# Altium PCB LTEWatch.PcbDoc (part 1 of 3)
Units mm, origin at the board's own origin, x right, y up, seen from the top; angles counter-clockwise.
Board outline 155 x 70 mm, 4 copper layers (Top Layer, Ground, Power, Bottom Layer), stack 1.854 mm thick; 335 components, 196 nets, 1001 pads, 1178 vias.
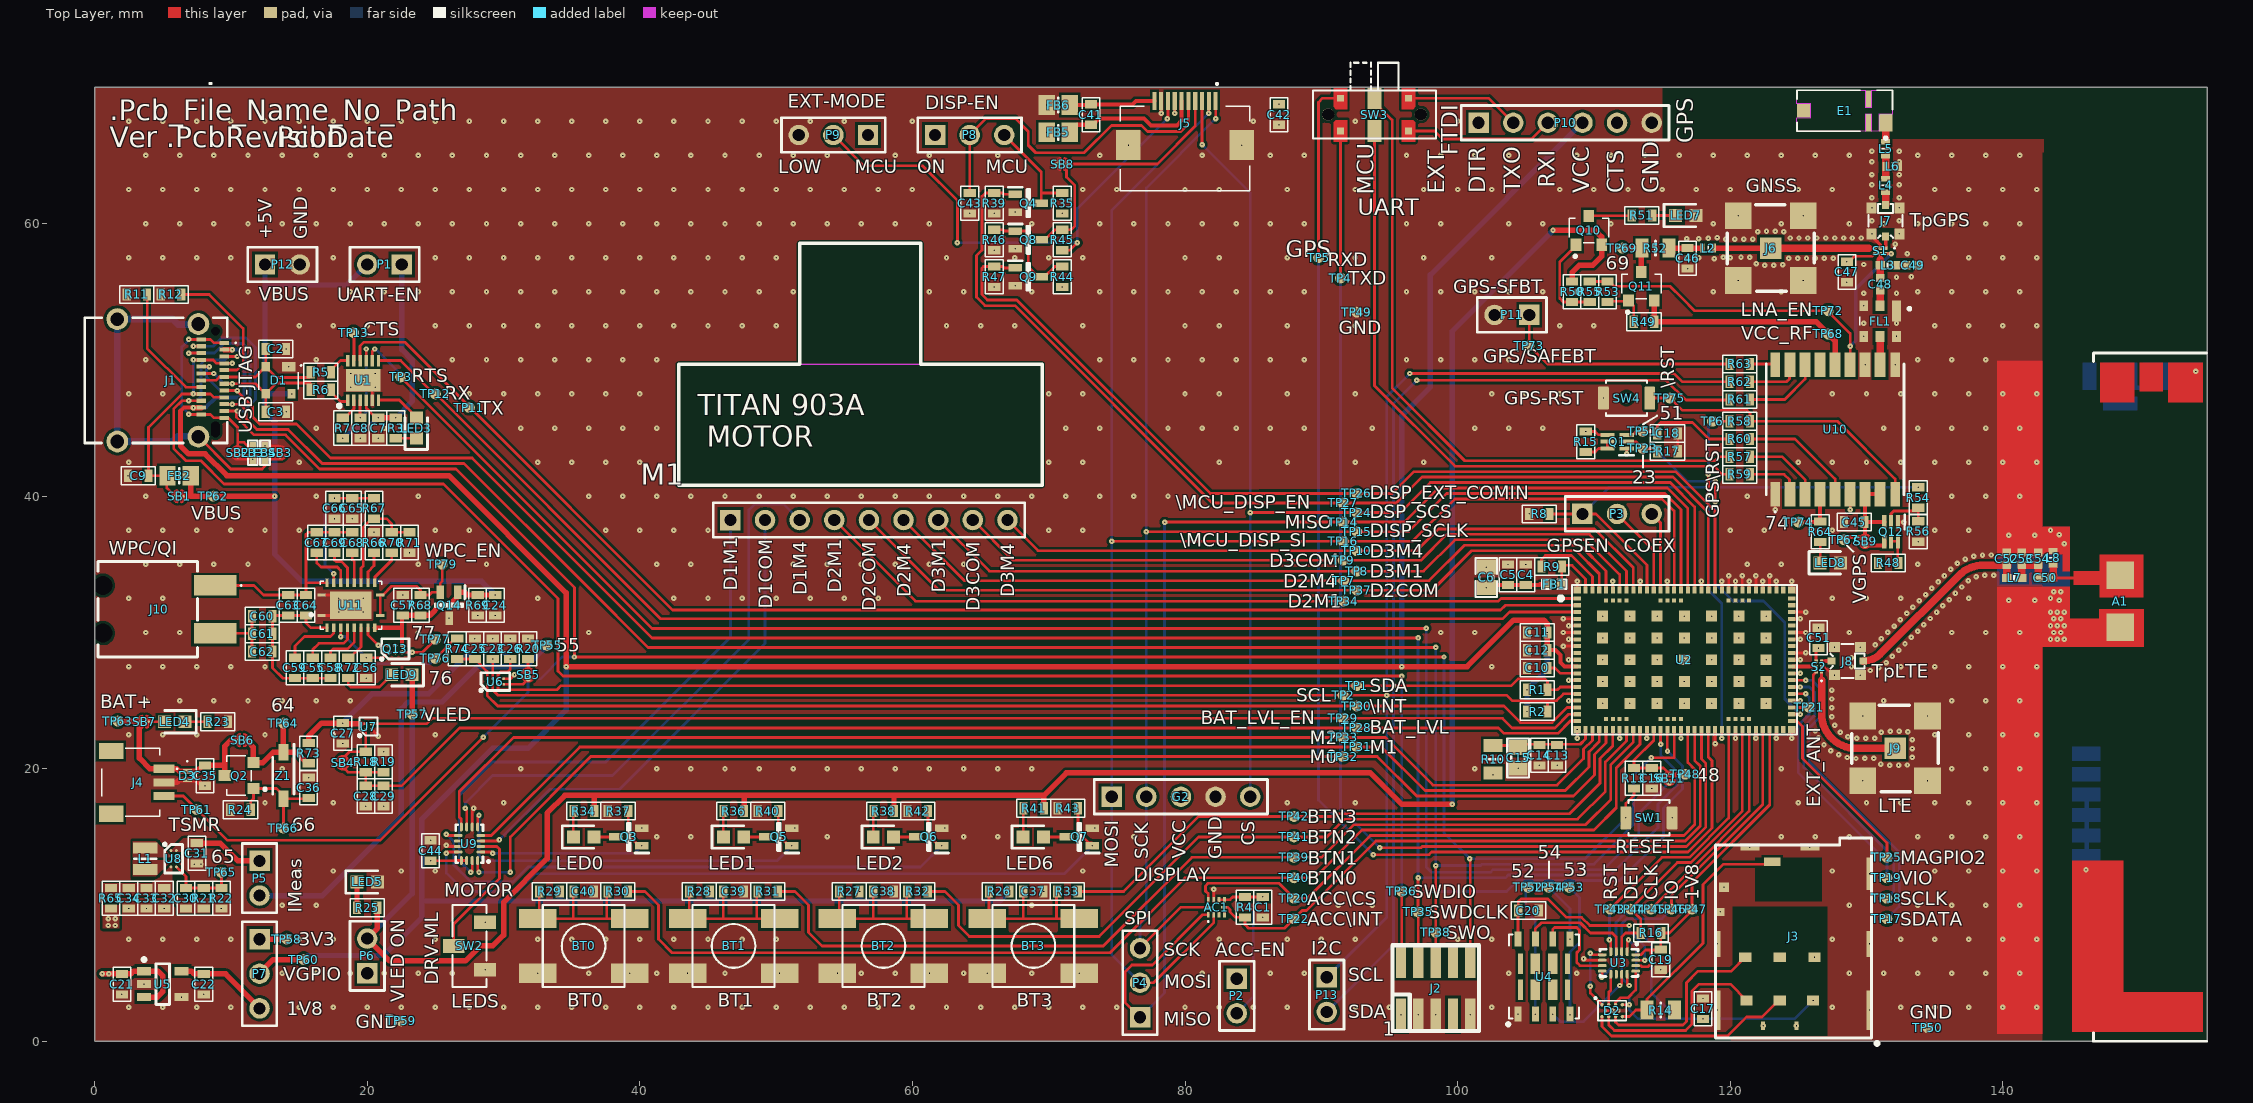
[diagram p0: Top Layer view]
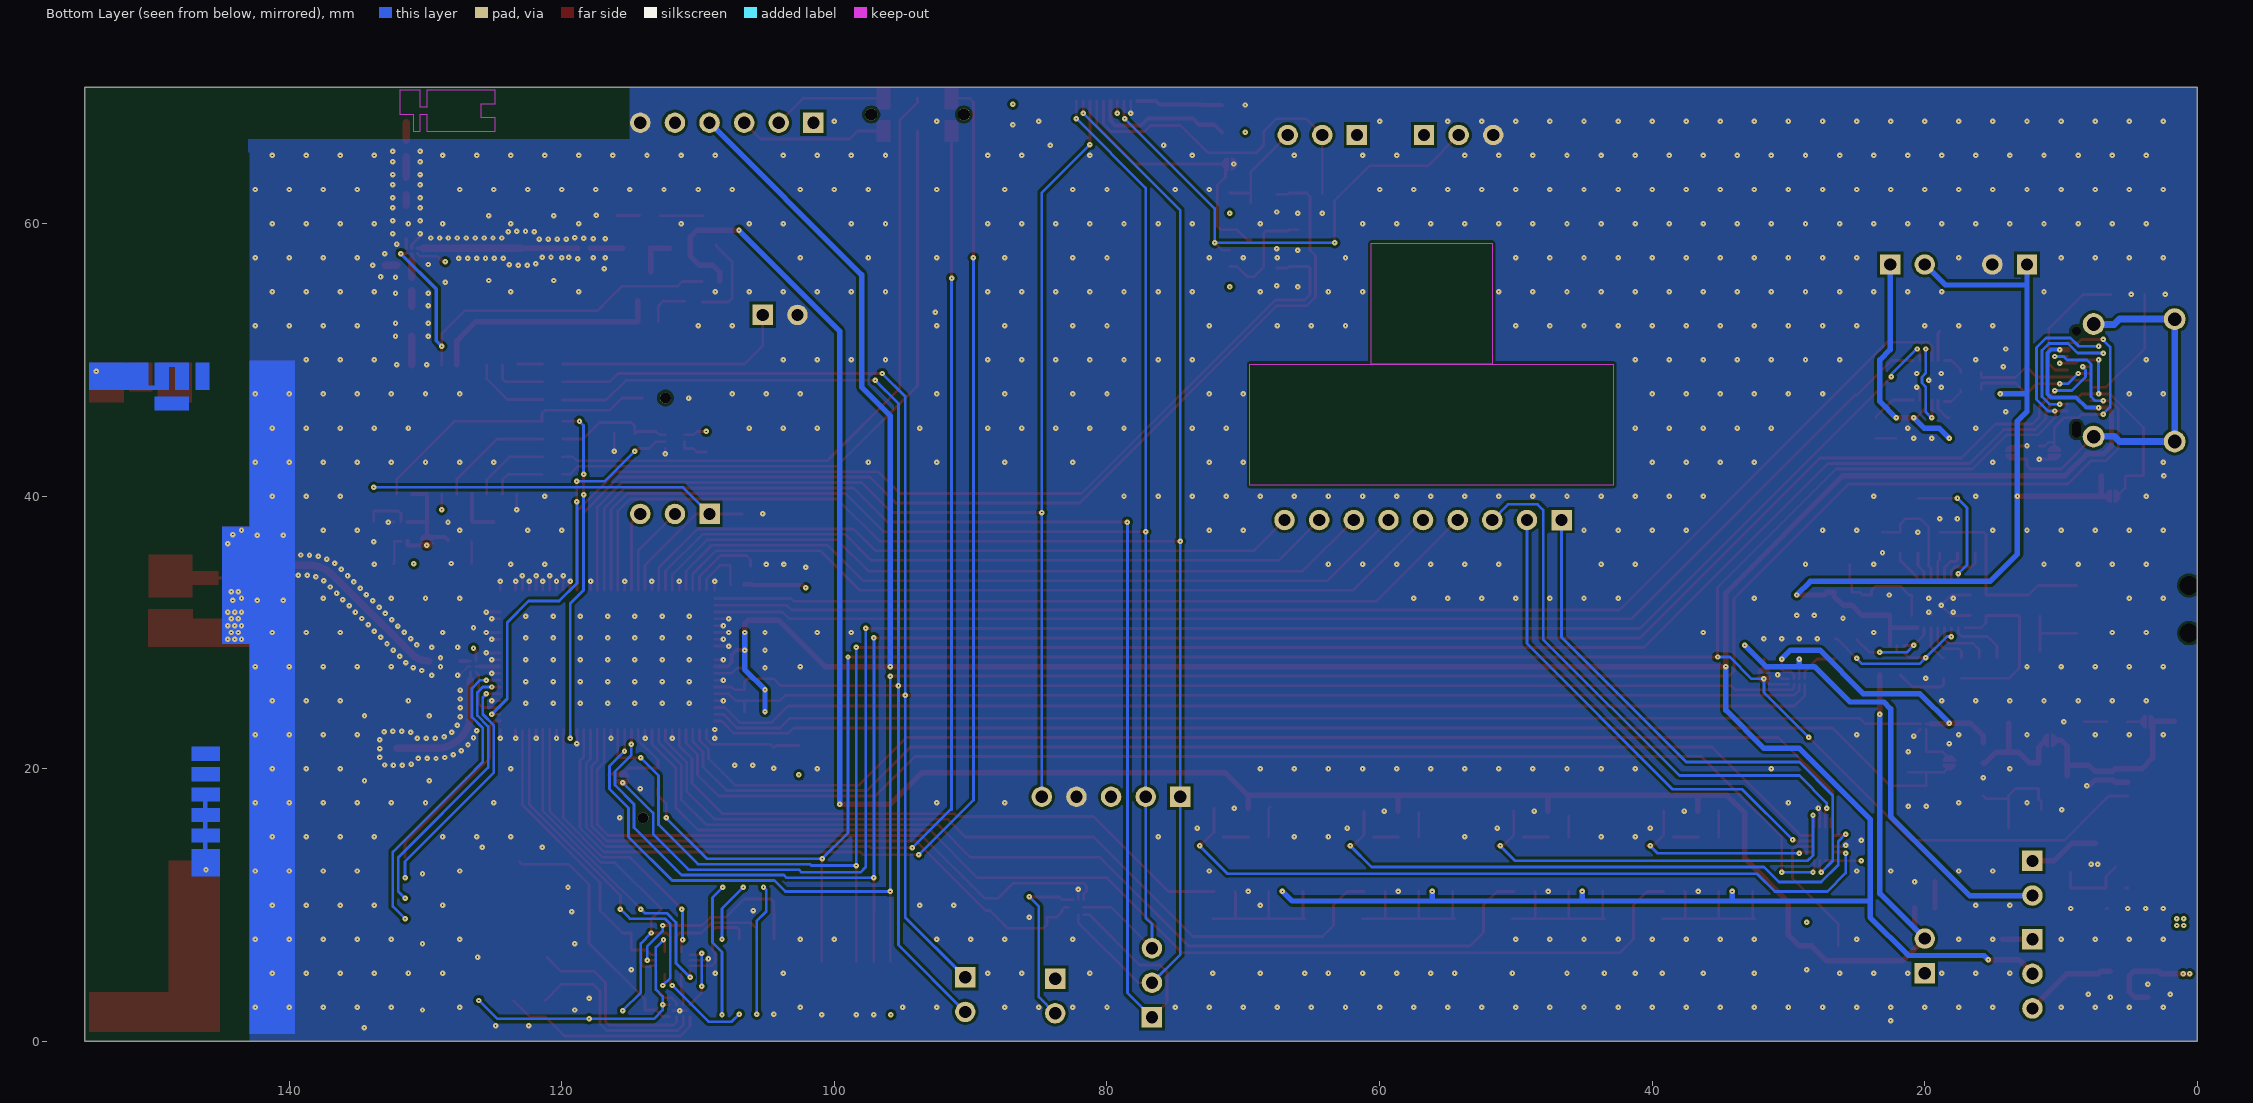
[diagram p1: Bottom Layer view, seen from below]
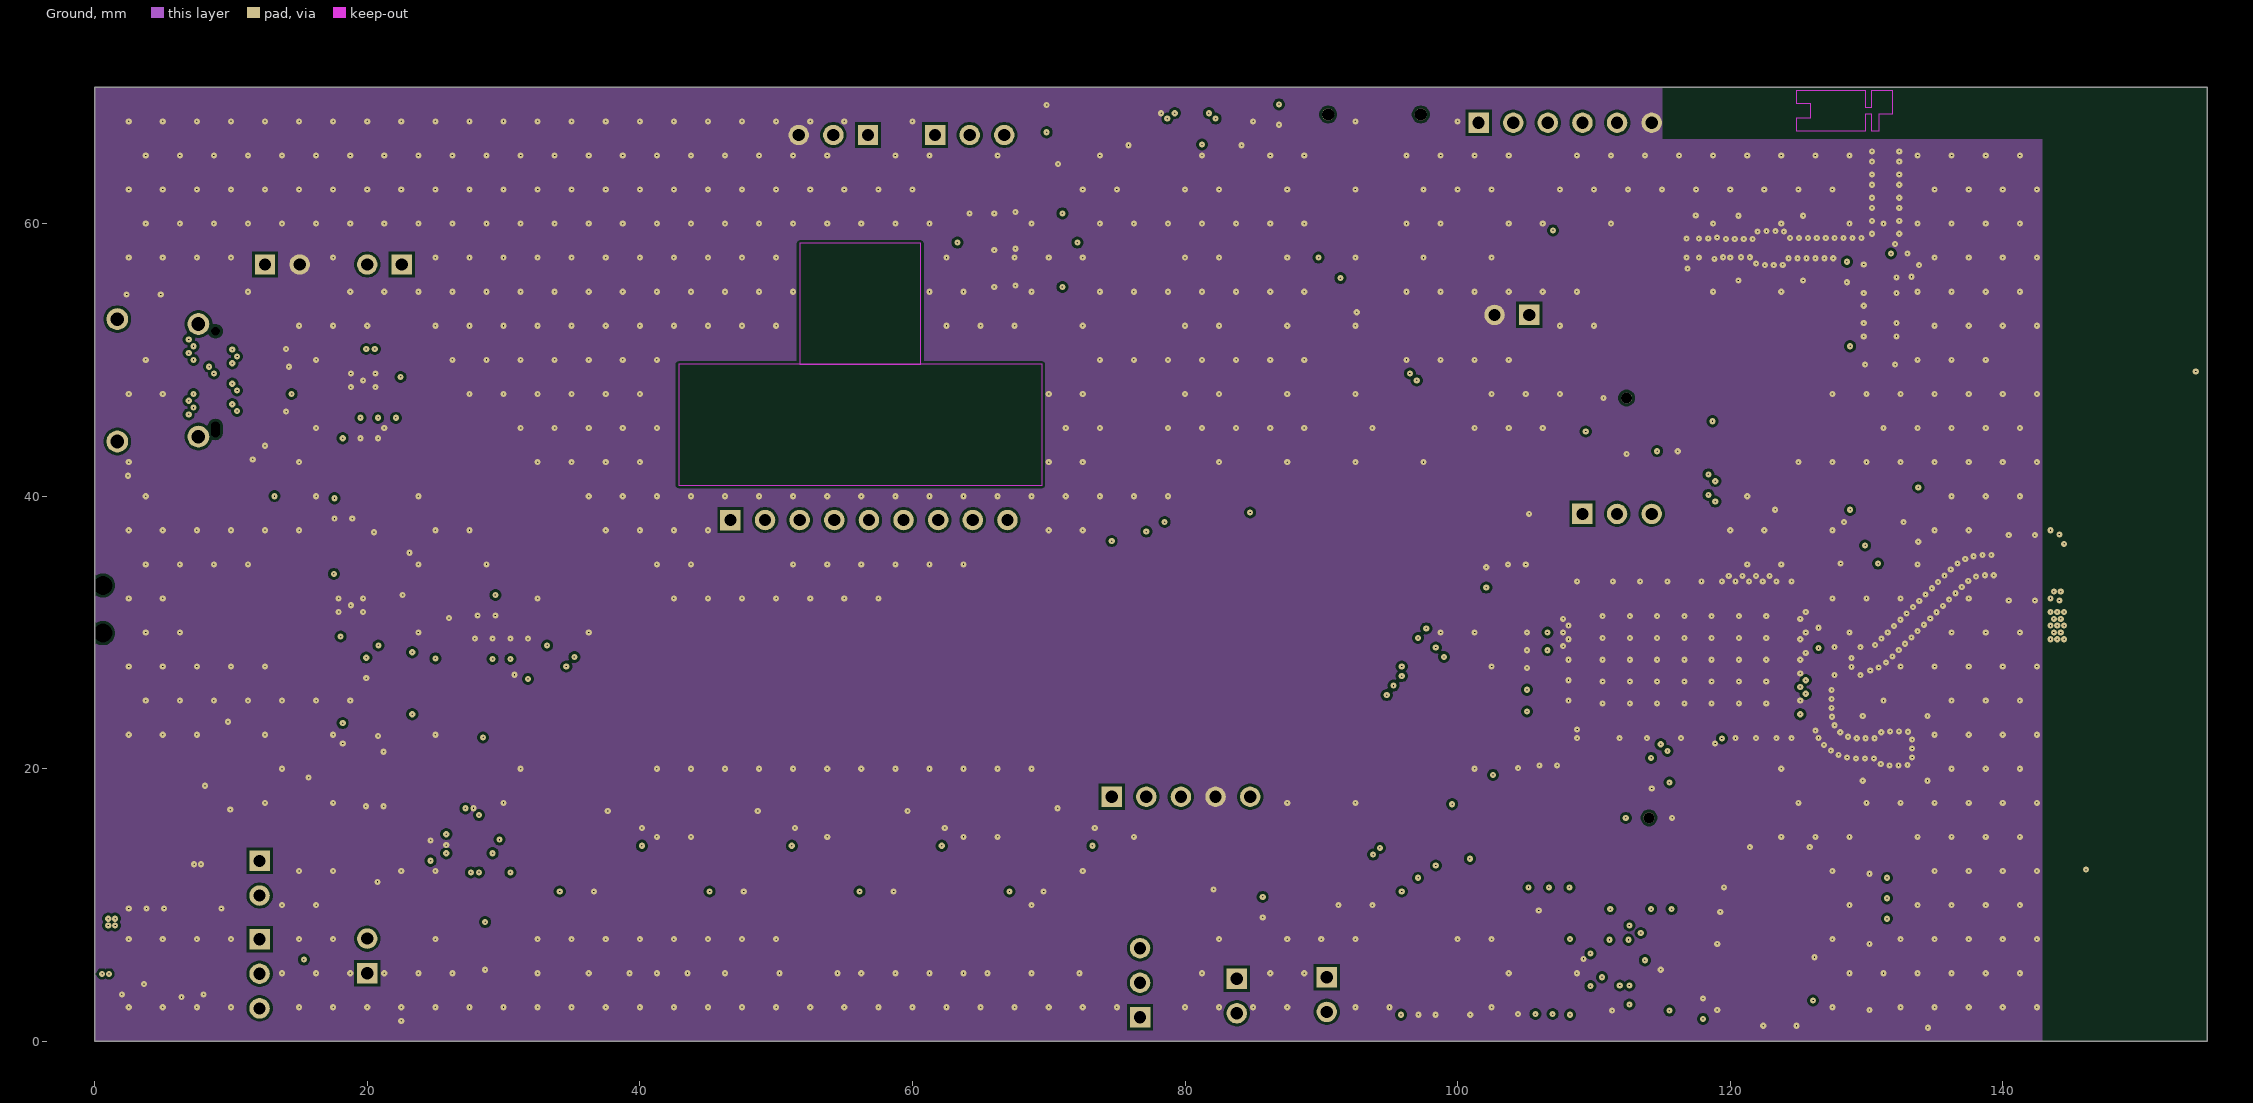
[diagram p2: Ground]
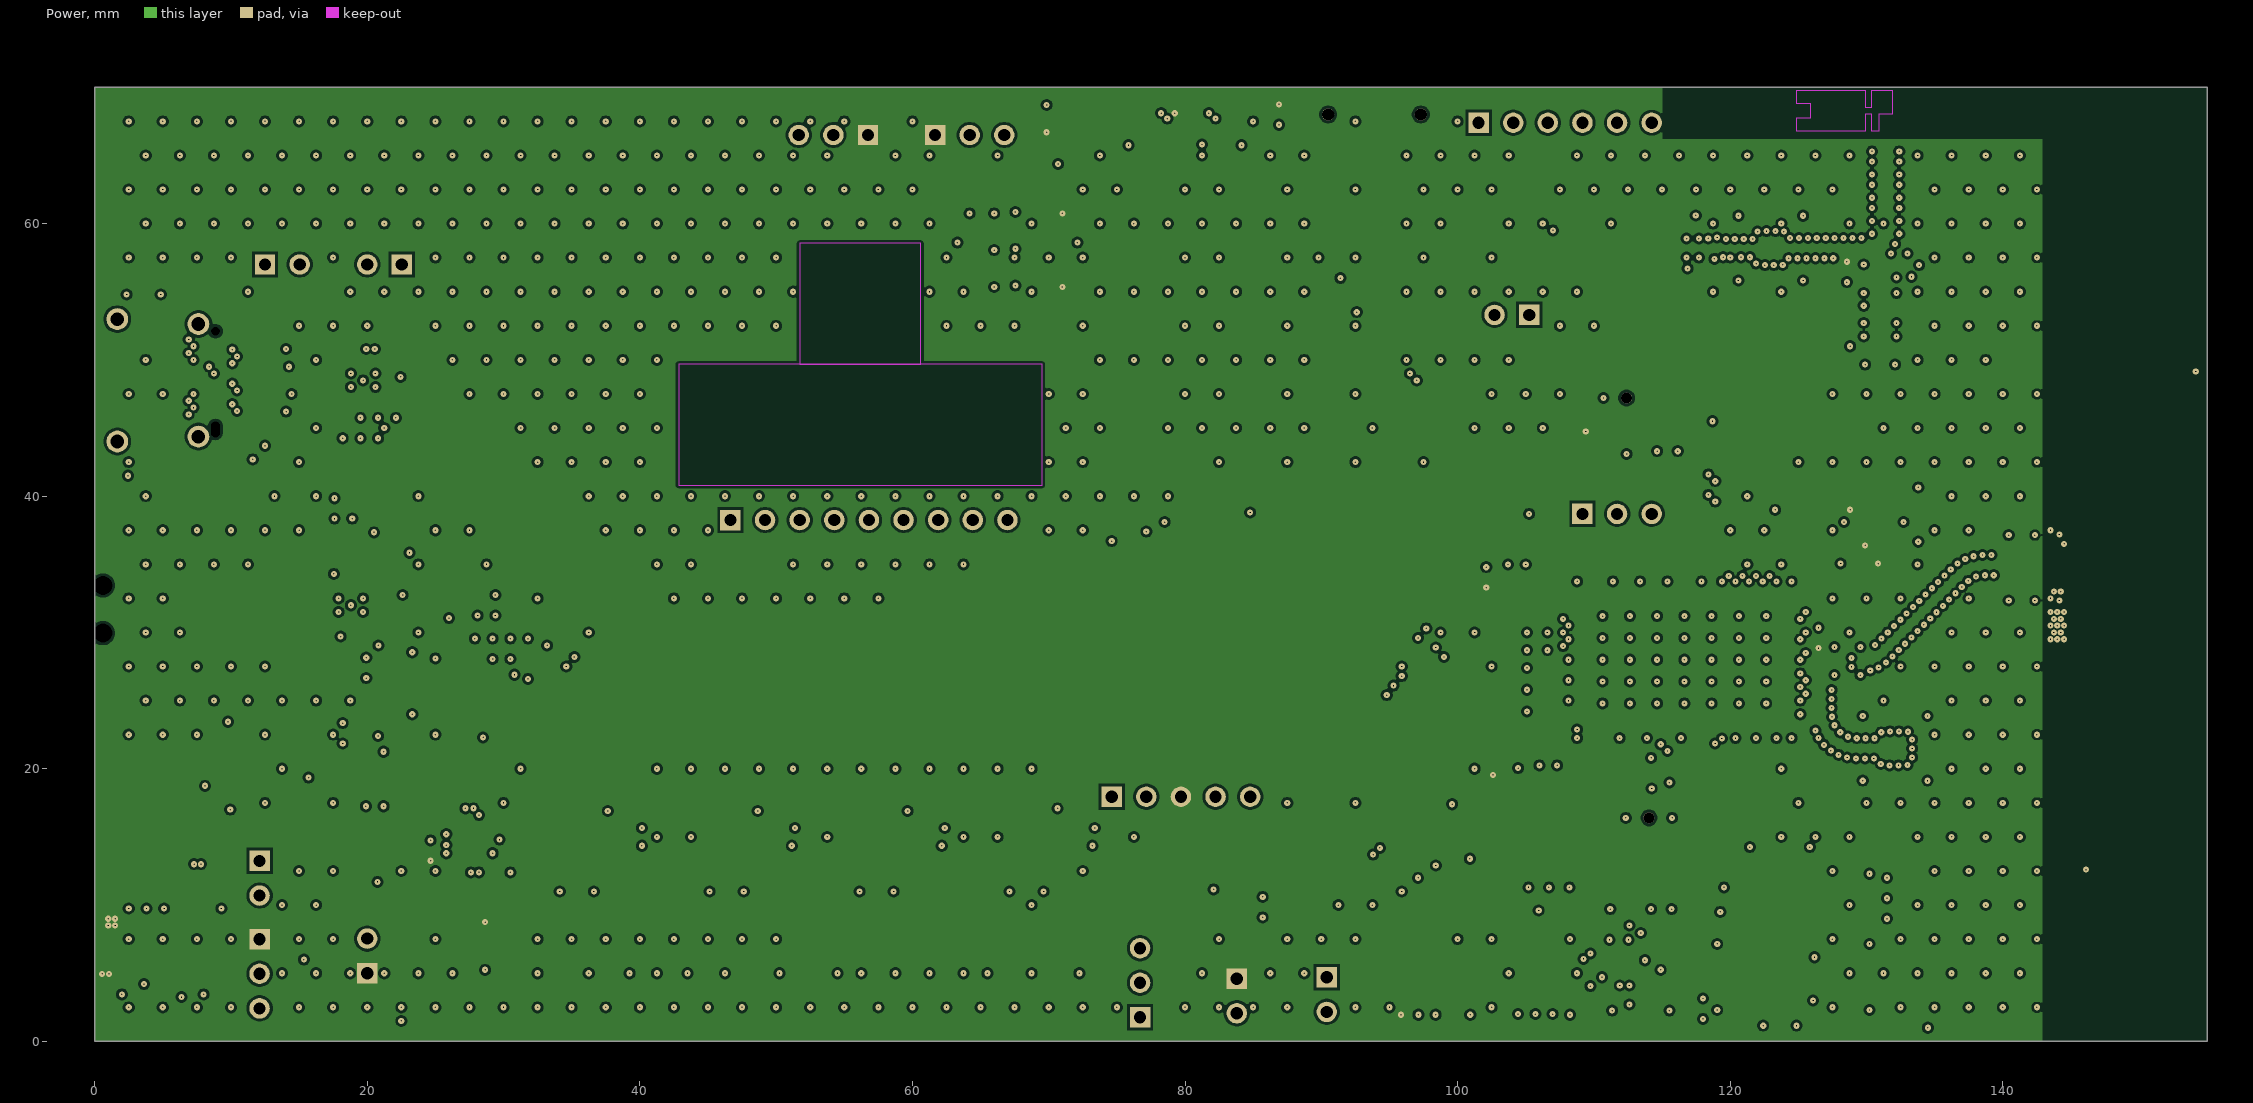
[diagram p3: Power]
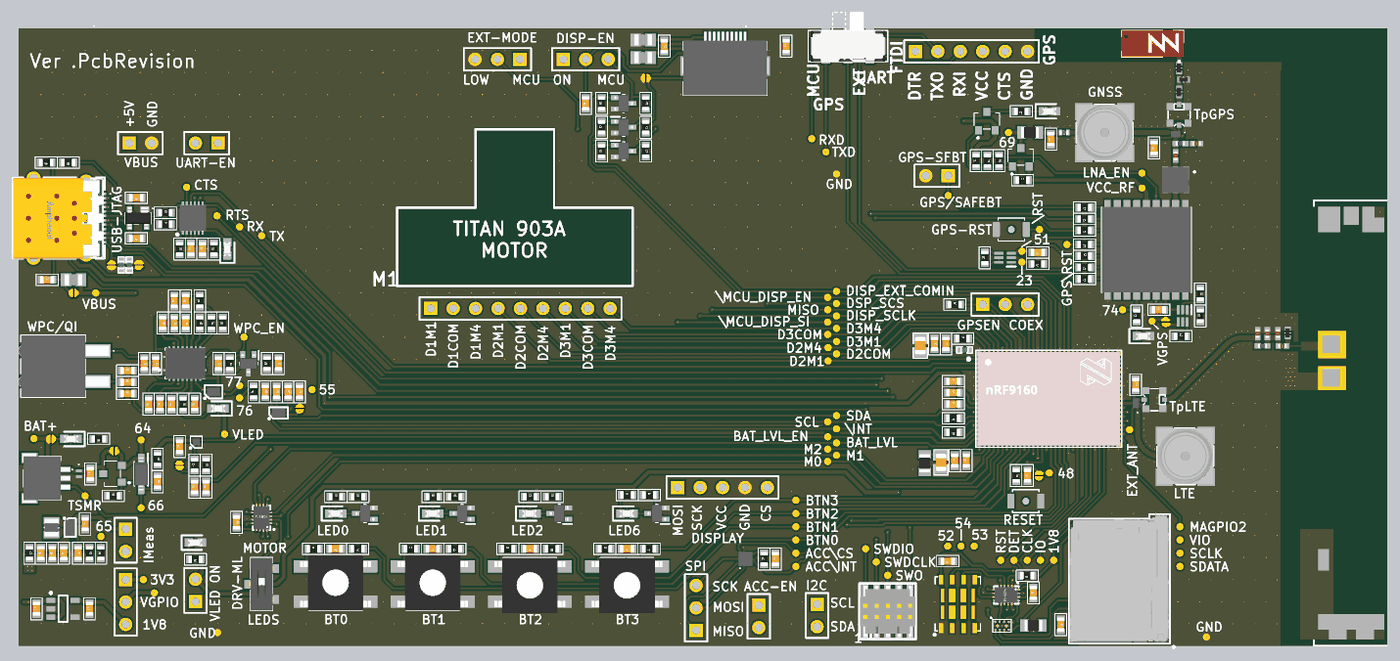
[diagram p6: 3D render of the assembled board from above, using the file's embedded part models]

## Layer stack, top to bottom
Top Solder: solder mask 0.1, Solder Resist, Dk 3.5
Top Layer: signal copper 0.035
Dielectric 1: core 0.36, FR-4, Dk 4.2
Dielectric 4: prepreg 0.0711, PP-006, Dk 4.1
Dielectric 7: prepreg 0.0711, PP-006, Dk 4.1
Ground: signal copper 0.035
Dielectric 6: prepreg 0.0711, PP-006, Dk 4.1
Power: signal copper 0.035
Dielectric 5: prepreg 0.0711, PP-006, Dk 4.1
Dielectric 3: prepreg 0.71, Dk 4.2
Dielectric 2: core 0.36, Dk 4.2
Bottom Layer: signal copper 0.035
Bottom Solder: solder mask 0.1, Solder Resist, Dk 3.5

## Board outline
0,0 0,70 155,70 155,0

## Design rules (kind name [scope] priority, off if disabled: settings)
AcuteAngle [All] p1 off: minimum=9.00000000000000E+0001 checktracksonly=TRUE
AssemblyTestPointUsage [All] p1 off:
AssemblyTestpoint [All] p1 off: testpointundercomponent=TRUE minsize=1.016 maxsize=2.54 preferedsize=1.524 minholesize=0 maxholesize=1.016 preferedholesize=0.813 testpointgrid=0.025 usegrid=TRUE gridtolerance=0 allowsidetop=TRUE allowsidebottom=TRUE
BoardOutlineClearance [All] p1 off: gap=0.25 ignorepadtopadclearanceinfootprint=FALSE
Clearance Clearance_1 [InNamedPolygon('NONET_L-01_P-001')] p1: gap=0.2 ignorepadtopadclearanceinfootprint=FALSE
Clearance [All] p2: gap=0.15 ignorepadtopadclearanceinfootprint=FALSE except(0: Arc-Hole Track-Hole SMDPad-Hole THPad-Hole Via-Hole Fill-Hole Poly-Hole Region-Hole Text-Hole)
ComponentClearance [All] p1 off: gap=0.25 collisioncheckmode=3 verticalgap=0.25 showdistances=FALSE
DiffPairsRouting [All] p1 off: maxlimit=0.254 minlimit=0.254 mostfreqgap=0.254 toplayer_minwidth=0.381 toplayer_maxwidth=0.381 toplayer_prefwidth=0.381 midlayer1_minwidth=0.381 midlayer1_maxwidth=0.381 midlayer1_prefwidth=0.381 midlayer2_minwidth=0.381 midlayer2_maxwidth=0.381 midlayer2_prefwidth=0.381 bottomlayer_minwidth=0.381 bottomlayer_maxwidth=0.381 bottomlayer_prefwidth=0.381 maxuncoupledlength=12.7
FabricationTestPointUsage [All] p1 off: valid=0 allowmultiple=FALSE
FabricationTestpoint [All] p1 off: side=3 testpointundercomponent=TRUE minsize=1.016 maxsize=2.54 preferedsize=1.524 minholesize=0 maxholesize=1.016 preferedholesize=0.813 testpointgrid=0.025 allowsidetop=TRUE allowsidebottom=TRUE usegrid=TRUE gridtolerance=0
FanoutControl Fanout_BGA [IsBGA] p1 off: bgadir=Out bgaviamode=Centered fanoutstyle=Auto fanoutdirection=Alternating viagrid=0.025 // Fanout_BGA (Default Rule)
FanoutControl Fanout_LCC [IsLCC] p2 off: bgadir=Out bgaviamode=Centered fanoutstyle=Auto fanoutdirection=Alternating viagrid=0.025 // Fanout_LCC (Default Rule)
FanoutControl Fanout_SOIC [IsSOIC] p3 off: bgadir=Out bgaviamode=Centered fanoutstyle=Auto fanoutdirection=Alternating viagrid=0.025 // Fanout_SOIC (Default Rule)
FanoutControl Fanout_Small [(CompPinCount < 5)] p4 off: bgadir=Out bgaviamode=Centered fanoutstyle=Auto fanoutdirection=OutThenIn viagrid=0.025 // Fanout_Small (Default Rule)
FanoutControl Fanout_Default [All] p5 off: bgadir=Out bgaviamode=Centered fanoutstyle=Auto fanoutdirection=Alternating viagrid=0.025 // Fanout_Default (Default Rule)
Height [All] p1 off: minheight=0 maxheight=25.4 prefheight=12.7
HoleSize [All] p1 off: absolutevalues=TRUE maxlimit=3 minlimit=0.25 maxpercent=80.000 minpercent=20.000
HoleToHoleClearance [All] p1: gap=0.25 allowstackedmicrovias=TRUE
LayerPairs [All] p1 off: enforce=TRUE
MinimumAnnularRing [All] p1 off: minimumring=0.175
MinimumSolderMaskSliver [All] p1 off: minsoldermaskwidth=0
NetAntennae [All] p1 off: netantennaetolerance=0
PasteMaskExpansion [All] p1 off: expansion=0
PlaneClearance [All] p1: clearance=0.25
PlaneConnect [All] p1: planeconnectstyle=Direct reliefexpansion=0.5 reliefentries=4 reliefconductorwidth=0.25 reliefairgap=0.25
PolygonConnect [All] p1: connectstyle=Direct reliefconductorwidth=0.25 reliefentries=4 polygonreliefangle="90 Angle" airgapwidth=0.25
RoutingCorners [All] p1 off: cornerstyle=45-Degree minsetback=2.5 maxsetback=2.5
RoutingLayers [All] p1 off: top layer_v5=TRUE mid layer 1_v5=TRUE mid layer 2_v5=TRUE bottom layer_v5=TRUE
RoutingPriority [All] p1 off: routingpriority=0
RoutingTopology [All] p1 off: topology=Shortest
RoutingVias [All] p1 off: holewidth=0.1 width=0.4 viastyle="Through Hole" minholewidth=0.1 minwidth=0.4 maxholewidth=0.1 maxwidth=0.4 useviatemplates=TRUE viatemplateguid#1={C0BFCFF5-9D42-48D6-B12F-B05AFD2019E3} viatemplatename#1=v45h10m0mx0
SilkToBoardRegionClearance [All] p1 off:
SilkToSilkClearance [All] p1 off: silktosilkclearance=0
SilkToSolderMaskClearance [IsPad] p1 off: minsilkscreentomaskgap=0 clearancetoexposedcopper=TRUE
SolderMaskExpansion [All] p1: expansion=0 istentingtop=FALSE
UnRoutedNet [All] p1: checkbadconnections=TRUE
Width [All] p1: maxlimit=4 minlimit=0.15 preferedwidth=0.2
2 further rules are at their usual default settings.

## Classes and differential pairs
component class "Wireless Power Receiver": C55 C56 C57 C58 C59 C60 C61 C62 C63 C64 C65 C66 C67 C68 C69 J10 LED9 Q13 Q14 R66 R67 R68 R69 R70 R71 R72 R74 TP76 TP77 TP79 U11 Y15
component class "User Interface": BT0 BT1 BT2 BT3 C37 C38 C39 C40 C41 C42 C43 C44 FB5 FB6 G2 J5 LED0 LED1 LED2 LED6 P8 P9 Q3 Q4 Q5 Q6 Q7 Q8 Q9 R26 R27 R28 R29 R30 R31 R32 R33 R34 R35 R36 R37 R38 R39 R40 R41 R42 R43 R44 R45 R46 R47 SB8 SW2 U9 Y10 Y11
component class "Radio Freq": A1 C45 C46 C47 C48 C49 C50 C51 C52 C53 C54 E1 FL1 J6 J7 J8 J9 L2 L3 L4 L5 L6 L7 L8 LED7 LED8 P10 P11 Q10 Q11 Q12 R48 R49 R50 R51 R52 R53 R54 R55 R56 R57 R58 R59 R60 R61 R62 R63 R64 S1 S2 SB9 SW3 SW4 TP67 TP68 TP69 TP72 TP73 TP74 TP75 U10 Y12
component class "Power Supply": C21 C22 C23 C24 C25 C26 C27 C28 C29 C30 C31 C32 C33 C34 C35 C36 D3 J4 L1 LED4 LED5 P5 P6 P7 P12 Q2 R18 R19 R20 R21 R22 R23 R24 R25 R65 R73 SB4 SB5 SB6 SB7 TP49 TP50 TP55 TP57 TP58 TP59 TP60 TP61 TP62 TP63 TP64 TP65 TP66 U5 U6 U7 U8 Y7 Y8 Y9 Y13 Y14 Z1
component class nRF9160: AC1 C1 C2 C3 C4 C5 C6 C7 C8 C9 C10 C11 C12 C13 C14 C15 C16 C17 C18 C19 C20 D1 D2 FB1 FB2 FB3 FB4 J1 J2 J3 LED3 P1 P2 P3 P4 P13 Q1 R1 R2 R3 R4 R5 R6 R7 R8 R9 R10 R11 R12 R13 R14 R15 R16 R17 SB1 SB2 SB3 SB11 SW1 TP1 TP2 TP3 TP4 TP5 TP6 TP7 TP8 TP9 TP10 TP11 TP12 TP13 TP14 TP15 TP16 TP17 TP18 TP19 TP20 TP21 TP22 TP23 TP24 TP25 TP26 TP27 TP28 TP29 TP30 TP31 TP32 TP33 TP34 TP35 TP36 TP37 TP38 TP39 TP40 TP41 TP42 TP43 TP44 TP45 TP46 TP47 TP48 TP51 TP52 TP53 TP54 U1 U2 U3 U4 Y1 Y2 Y3 Y4 Y5 Y6

## Components (designator, comment, footprint, x,y, rotation, side; value= is the part's Value field where it differs from the comment)
A1 "P822601" P822601 150.9,25.3 r270 top
AC1 "MC3635" MC3635 82.3,9.85 r0 top
BT0 "SKHUALE010" Switch-PB-SMD-BT0 35.875,7 r0 top value="PB SW"
BT1 "SKHUALE010" Switch-PB-SMD-BT1 46.875,7 r0 top value="PB SW"
BT2 "SKHUALE010" Switch-PB-SMD-BT2 57.875,7 r180 top value="PB SW"
BT3 "SKHUALE010" Switch-PB-SMD-BT3 68.875,7 r180 top value="PB SW"
C1 "100nF" C0603 85.7,9.85 r90 top
C2 "47pF" C0603 13.3,50.8 r180 top
C3 "47pF" C0603 13.3,46.2 r180 top
C4 "15pF" C0603 105,34.24 r270 top
C5 "100nF" C0603 103.7,34.24 r270 top
C6 "47uF" CAPC2012X11L 102.1,34.04 r270 top
C7 "100nF" C0603 20.8,45 r90 top
C8 "100nF" C0603 19.5,45 r90 top
C9 "10nF" C0603 3.2,41.5 r0 top
C10 "4.7uF" C0603 105.84,27.4 r0 top
C11 "4.7uF" C0603 105.84,30 r0 top
C12 "100nF" C0603 105.84,28.7 r0 top
C13 "15pF" C0603 107.3,21 r90 top
C14 "100nF" C0603 106,21 r90 top
C15 "47uF" CAPC2012X11L 104.44,20.8 r90 top
C16 "100nF" C0603 114.24,19.3 r90 top
C17 "10nF" C0603 118,2.4 r270 top
C18 "1uF" C0603 115.4,44.6 r180 top
C19 "100nF" C0603 114.9,6 r90 top
C20 "N.C." C0603 105.2,9.6 r180 top
C21 "1uF" C0603 2,4.2 r90 top
C22 "1uF" C0603 8,4.2 r90 top
C23 "10uF" C0603 29.2,28.8 r270 top
C24 "4.7uF" C0603 29.4,32 r270 top
C25 "100nF" C0603 27.9,28.8 r270 top
C26 "1uF" C0603 30.5,28.8 r270 top
C27 "1uF" C0603 18.2,22.6 r90 top
C28 "100nF" C0603 19.9,18 r90 top
C29 "10nF" C0603 21.2,18 r90 top
C30 "10pF" C0603 6.7,10.5 r270 top
C31 "10uF" C0603 7.5,13.8 r90 top
C32 "10uF" C0603 5.1,10.5 r90 top
C33 "10uF" C0603 3.8,10.5 r90 top
C34 "10uF" C0603 2.5,10.5 r90 top
C35 "1uF" C0603 8.1,19.5 r90 top
C36 "10nF" C0603 15.7,18.6 r270 top
C37 "100nF" C0603 68.875,11 r180 top
C38 "100nF" C0603 57.875,11 r180 top
C39 "100nF" C0603 46.875,11 r180 top
C40 "100nF" C0603 35.875,11 r180 top
C41 "1uF" C0603 73.1,68 r270 top
C42 "1uF" C0603 86.9,68 r90 top
C43 "560pF" C0603 64.2,61.5 r90 top
C44 "100nF" C0603 24.65,14 r270 top
C45 "1uF" C0603 129.1,38.1 r0 top
C46 "10nF" C0603 116.875,57.45 r90 top
C47 "100nF" C0603 128.562,56.45 r90 top
C48 "47pF" CAPC1005X55N 131,55.55 r90 top
C49 "N.C." CAPC1005X55N 133.4,56.95 r180 top
C50 "3.5pF" CAPC1005X55N 143.1,34 r0 top
C51 "100nF" C0603 126.48,29.6 r270 top
C52 "N.C." CAPC1005X55N 140.3,35.4 r270 top
C53 "N.C." CAPC1005X55N 141.4,35.4 r270 top
C54 "N.C." CAPC1005X55N 142.6,35.4 r270 top
C55 "470nF" C0603 16,27.4 r90 top
C56 "10uF" C0603 19.925,27.4 r90 top
C57 "100nF" C0603 22.6,32 r270 top
C58 "22nF" C0603 17.3,27.4 r90 top
C59 "10nF" C0603 14.7,27.4 r90 top
C60 "39nF" C0603 12.3,31.2 r0 top
C61 "47nF" C0603 12.3,29.9 r0 top
C62 "68nF" C0603 12.3,28.6 r0 top
C63 "2.2nF" C0603 14.2,32 r270 top
C64 "100pF" C0603 15.5,32 r270 top
C65 "10uF" C0603 18.9,39.1 r90 top
C66 "4.7uF" C0603 17.6,39.1 r90 top
C67 "10nF" C0603 16.3,36.6 r270 top
C68 "22nF" C0603 18.9,36.6 r270 top
C69 "470nF" C0603 17.6,36.6 r270 top
D1 "TVS 5.5VWM" PRTR5V0U2X 13.5,48.5 r180 top
D2 "CM1402" CM1402 111.34,2.253 r0 top
D3 "TVS DIODE" SP100701ETG 6.8,19.5 r270 top value="6VWM 9.2VC"
E1 "NN03-320" XCVR_NN03-320 128.4,68.275 r0 top locked
FB1 "120R/0.7A" INDC1005X04L 107.1,33.54 r0 top
FB2 "FERRITE BEAD" BEADC2012X110N 6.2,41.5 r0 top value="500mA 300mΩ"
FB3 "120R/0.7A" INDC1005X04L 11.6,43.175 r90 top
FB4 "120R/0.7A" INDC1005X04L 12.5,43.175 r90 top
FB5 "FERRITE BEAD" BEADC2012X110N 70.7,66.7 r180 top value="500mA 300mΩ"
FB6 "FERRITE BEAD" BEADC2012X110N 70.7,68.7 r0 top value="500mA 300mΩ"
FL1 "TPS7A0318PDBVR" B39162B3913U410 131,52.85 r180 top value="SAW Filt. 1.588GHz"
G2 "Sharp MIP LCD" SHARP_MIP_LCD 74.62,17.95 r0 top
J1 "CONN_USB-C_24p" "12401598E42A - JTAG" 4.5,48.5 r270 top
J2 "FTSH-105-01-F-DV-K" HDR_2x5-SMD-1.27mm-K 98.39,3.903 r0 top
J3 "SF72S006VBAR2500" SF72S006VBAR2500 130.22,0.4 r0 top
J4 "M40-4010346R" M404010346R 2.8,19 r270 top
J5 "CONN LCD SMD" FH12A10S05SH55 80,65.5 r180 top value="10 POS FFC"
J6 "SMA" "73251-1350 - GNSS" 122.975,58.2 r180 top value="50 Ω"
J7 "MM8130-2600" "COAXIAL-SWF - GNSS" 131.4,60.2 r180 top
J8 "MM8130-2600" "COAXIAL-SWF - LTE" 128.6,27.9 r90 top
J9 "SMA" "73251-1350 - LTE" 132.1,21.5 r0 top value="50 Ω"
J10 "WPC/QI COIL" 23839422 3.9,31.7 r270 top
L1 "2.9A 48mΩ" 1286ASH1R0MP2 3.7,13.4 r90 top value=1uH
L2 "350mA 460mΩ" LQG15WH0N7B02D 118.375,58.2 r0 top value=27nH
L3 "N.C." INDC1005X37N 131.55,56.95 r0 top
L4 "9.7nH" LQW15AN10NG80D 131.4,62.8 r90 top
L5 "11nH" LQW15AN10NG80D 131.4,65.5 r90 top
L6 "13nH" LQW15AN10NG80D 131.9,64.2 r180 top
L7 "1.5nH" INDC1005X37N 140.85,34 r180 top
L8 "22nH" LQW15AN10NG80D 143.7,35.475 r90 top
LED0 "BLUE 3.2V" LEDC1608X80N 35.875,15 r0 top
LED1 "BLUE 3.2V" LEDC1608X80N 46.875,15 r0 top
LED2 "BLUE 3.2V" LEDC1608X80N 57.875,15 r0 top
LED3 "GREEN 2V" LEDC1608X80N 23.6,45 r90 top
LED4 "RED 2V" LEDC1608X80N 5.888,23.449 r180 top
LED5 "GREEN 2V" LEDC1608X80N 20,11.7 r0 top
LED6 "GREEN 2V" LEDC1608X80N 68.875,15 r0 top
LED7 "RED 2V" LEDC1608X80N 116.725,60.6 r0 top
LED8 "GREEN 2V" LEDC1608X80N 127.35,35.11 r0 top
LED9 "GREEN 2V" LEDC1608X80N 22.55,26.9 r180 top
M1 "Comment" MOTOR 53,38.25 r0 top
P1 "VUART" "HDR1X2 - UART" 22.54,57 r180 top
P2 "VACC" "HDR1X2 - ACCEL" 83.8,4.6 r270 top
P3 "COEX" "HDR1X3 - COEX" 109.16,38.7 r0 top
P4 "SPI" "HDR1X3 - SPI" 76.7,1.76 r90 top
P5 "IMEAS" "HDR1X2 - IMEAS" 12.1,13.24 r270 top
P6 "VLED" "HDR1X2 - VLED" 20,5 r90 top
P7 "VGPIO" "HDR1X3 - VGPIO" 12.1,7.5 r270 top
P8 "DISP-EN" "HDR1X3 - DISP_EN" 61.66,66.5 r0 top
P9 "EXT-MODE" "HDR1X3 - EXT_MODE" 56.74,66.5 r180 top
P10 "GPSUSB" "HDR1X6 - GPS" 101.54,67.4 r0 top
P11 "GPS-SFBT" "HDR1X2 - GPSSAFEBOOT" 105.25,53.3 r180 top
P12 "VBUS" "HDR1X2 - VIN" 12.5,57 r0 top
P13 "I2C" "HDR1X2 - I2C" 90.4,4.703 r270 top
Q1 "MOS N/P-CH" SOT50P160X60-6N 111.7,44 r180 top value="20V 250mW"
Q2 "PMOS" SSM3J332RLFT 10.6,19.5 r90 top value=12V
Q3 "NMOS" SOT65P210X110-3N 39.2,15 r180 top value=30V
Q4 "NMOS" SOT65P210X110-3N 68.5,61.5 r0 top value=30V
Q5 "NMOS" SOT65P210X110-3N 50.2,15 r180 top value=30V
Q6 "NMOS" SOT65P210X110-3N 61.2,15 r180 top value=30V
Q7 "NMOS" SOT65P210X110-3N 72.25,15 r180 top value=30V
Q8 "NMOS" SOT65P210X110-3N 68.5,58.8 r0 top value=30V
Q9 "NMOS" SOT65P210X110-3N 68.5,56.1 r0 top value=30V
Q10 "PMOS" SSM3J332RLFT 109.625,59.5 r0 top value=12V
Q11 "PMOS" SSM3J332RLFT 113.475,55.4 r0 top value=12V
Q12 "MOS N/P-CH" SOT50P160X60-6N 131.8,37.4 r270 top value="20V 250mW"
Q13 "20V 1.6A 0.7W" BGA6C50P2X3_95X145X62 22.057,28.8 r90 top
Q14 "NMOS" SOT65P210X110-3N 26,32 r270 top value=30V
R1 "10k" RES0603 105.84,25.8 r180 top
R2 "10k" RES0603 105.84,24.2 r180 top
R3 "330" RES0603 22.1,45 r90 top
R4 "N.C." RES0603 84.4,9.85 r90 top
R5 "27R" RES0603 16.6,49.1 r0 top
R6 "27R" RES0603 16.6,47.8 r0 top
R7 "10k" RES0603 18.2,45 r270 top
R8 "100k" RES0603 106,38.7 r0 top
R9 "10k" RES0603 106.9,34.84 r0 top
R10 "0R" RESC2012X60N 102.6,20.7 r90 top
R11 "5k1" RES0603 3.1,54.8 r180 top
R12 "5k1" RES0603 5.6,54.8 r180 top
R13 "1k" RES0603 112.94,19.3 r270 top
R14 "0R" RESC2012X60N 114.9,2.3 r180 top
R15 "100k" RES0603 109.4,44 r90 top
R16 "1M" RES0603 114.19,7.953 r180 top
R17 "1M" RES0603 115.4,43.3 r180 top
R18 "4.02M" RES0603 19.9,20.5 r90 top
R19 "8.66M" RES0603 21.2,20.5 r270 top
R20 "NTC10k" C0603 31.8,28.8 r270 top
R21 "560k" RES0603 8,10.5 r270 top
R22 "100k" RES0603 9.3,10.5 r90 top
R23 "120" RES0603 9.038,23.451 r180 top
R24 "10k" RES0603 10.7,17 r0 top
R25 "120" RES0603 20,9.8 r180 top
R26 "10k" RES0603 66.375,11 r0 top
R27 "10k" RES0603 55.375,11 r0 top
R28 "10k" RES0603 44.375,11 r0 top